# Altium PCB Gatorsynth_Sequencer.PcbDoc (part 1 of 2) (continued)
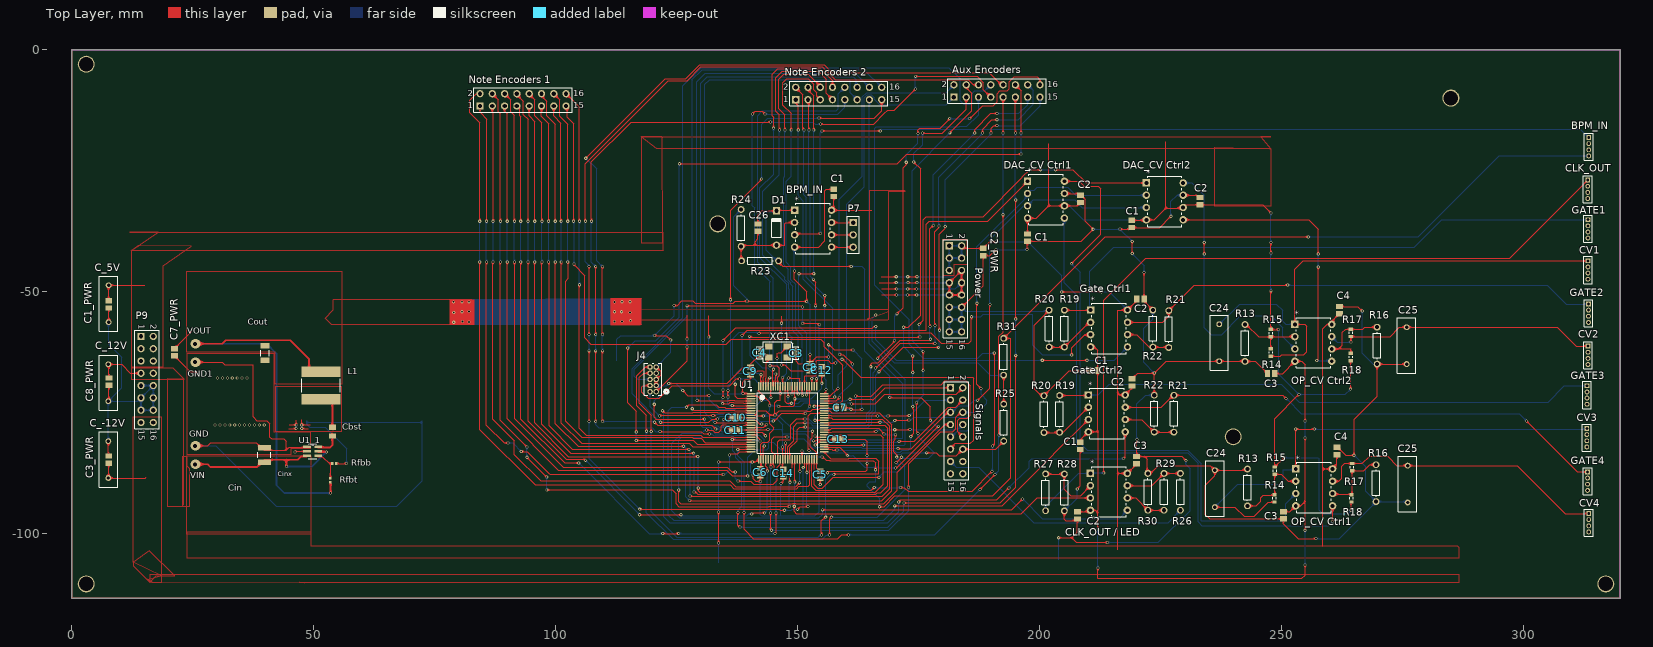
[diagram p0: Top Layer view]
## Nets (pads, with @x,y where several pads share a name; then routed paths per layer and width w, separated by ;. In a path a pad name is that pad's centre, name@x,y a point inside that pad or via, vN(x,y) a via of type N, cw(c..) or ccw(c..) an arc to the next point about the centre after c; other vN are vias at no path point) (continued)
  Bottom Layer w0.254: 205.125,-32.26 206.085,-32.26 208.975,-35.15 222.055,-35.15 ; v1(247.8,-49.825) v1(247.8,-42) ; v1(247.8,-39.875) v1(247.8,-33.725) ; v1(249.375,-57.825) 249.375,-67.025 v1(253.6,-71.25) 263.175,-71.25 v1(264.275,-70.15) ; v1(250.55,-84.3) 257.525,-84.3 257.8,-84.575 257.8,-95.125 258.575,-95.9 263.65,-95.9 v1(264.375,-95.175)
12V: "CLK_OUT / LED.8" "Gate Ctrl1.8" "Gate Ctrl2.8" "OP_CV Ctrl1.8" "OP_CV Ctrl2.8" C2.1@219.075,-69.5 C2.1@220.1,-51.5 C2_PWR.2 C3.1@220.05,-85.55 C4.1@261.45,-83.675 C4.1@261.95,-54.575 C8_PWR.2 C_12V.1 Cin.1 P9.7 P9.8 Power.1 Power.2 Power.3 Power.4 Power.5 U1_1.3 U1_1.5 VIN.1 | length 221.7
  Top Layer w0.254: C8_PWR.2@7.7,-67.85 7.7,-65.14 C_12V.1@7.575,-65.015 10.293,-65.015 12.148,-66.87 P9.7@14.325,-66.87 ; Power.2@183.89,-40.525 184.415,-41.05 C2_PWR.2@188.375,-41.05 189.7,-39.725 v1(191,-39.725) ; v1(204.575,-50.05) v1(212.8,-50.05) ; 216.105,-103.35 216.105,-87.543 ; 216.157,-71.345 216.105,-71.293 ; C2.1@219.075,-69.5 219.075,-69.974 217.704,-71.345 216.537,-71.345 216.105,-70.913 ; C3.1@220.05,-85.55 220.05,-85.618 218.125,-87.543 216.105,-87.543 ; C2.1@220.1,-51.5 220.1,-51.868 218.175,-53.793 216.195,-53.793 216.105,-53.883 216.105,-70.913 ; 258.53,-102.605 258.53,-86.63 ; C4.1@261.45,-83.675 261.45,-85.575 260.55,-86.475 260.55,-86.63 258.53,-86.63 ; C4.1@261.95,-54.575 260.375,-56.15 260.375,-56.755 259.4,-56.755 258.53,-57.625 258.53,-86.63 ; 216.105,-87.543 216.105,-71.293 ; 216.105,-71.293 216.105,-70.913
  Top Layer w0.381: v2(25.562,-85.652) 28.102,-85.652 28.686,-86.262 38.313,-86.262 ; 38.389,-86.16 39.811,-84.738 44.358,-84.738 ; v1(44.358,-86.16) 44.358,-84.738 ; U1_1.3@48.524,-84.077 47.33,-84.077 46.669,-84.738 44.358,-84.738 ; U1_1.5@50.86,-83.112 v1(52.613,-83.112)
  Bottom Layer w0.254: Power.5@181.35,-45.605 Power.3@181.35,-43.065 ; v1(191,-39.725) 197.575,-39.725 204.575,-46.725 v1(204.575,-50.05) ; v1(212.8,-50.05) 214.432,-50.05 218.175,-53.793 ; Power.3@181.35,-43.065 Power.4@183.89,-43.065 Power.2@183.89,-40.525 Power.1@181.35,-40.525 Power.3@181.35,-43.065
  Bottom Layer w0.381: v1(44.358,-86.16) 49.565,-86.16 v1(52.613,-83.112)
-12V: "CLK_OUT / LED.4" "Gate Ctrl1.4" "Gate Ctrl2.4" "OP_CV Ctrl1.4" "OP_CV Ctrl2.4" C1.2@208.425,-81.125 C1.2@211.95,-66.3 C2.2@207.825,-95.475 C3.1@248.6,-66.925 C3.1@250.375,-95.45 C3_PWR.2 C_-12V.2 P9.15 P9.16 | length 169
  Top Layer w0.254: C3_PWR.2@7.675,-85.45 7.675,-88.41 C_-12V.2@7.575,-88.51 15.24,-88.51 15.4,-88.35 ; C2.2@207.825,-95.475 210.193,-95.475 210.505,-95.163 211.488,-95.163 212.05,-95.725 ; C1.2@208.425,-81.125 208.425,-80.624 210.084,-78.965 212.002,-78.965 ; 210.555,-61.413 211.265,-61.413 212.002,-62.15 212.002,-78.965 ; v1(212.05,-107.125) 212.05,-109.225 254.225,-109.225 254.875,-108.575 v1(254.875,-106.5) ; v1(212.05,-99.038) 212.05,-95.725 ; 212.05,-95.213 212.05,-95.725 ; 212.1,-95.163 212.1,-79.063 212.002,-78.965 ; C3.1@248.6,-66.925 250.205,-66.925 252.755,-64.375 254.175,-64.375 254.875,-65.075 v1(254.875,-76.725) ; C3.1@250.375,-95.45 251.73,-95.45 252.93,-94.25 253.975,-94.25 254.875,-93.35 ; v1(254.875,-99.3) 254.875,-93.35 ; v1(254.875,-80.225) 254.875,-93.35
  Bottom Layer w0.254: 210.084,-78.965 210.182,-79.063 ; v1(212.05,-107.125) v1(212.05,-99.038) ; 252.755,-64.375 252.805,-64.425 ; 252.93,-94.25 252.955,-94.275 ; v1(254.875,-106.5) v1(254.875,-99.3) ; v1(254.875,-80.225) v1(254.875,-76.725)
AE_L0: "Aux Encoders.1" U1.74 | length 86.3
  Top Layer w0.254: U1.74@155.475,-71.575 156.7,-71.575 ; 156.725,-71.55 158.25,-70.025 v1(158.375,-70.025)
  Bottom Layer w0.254: v1(158.375,-70.025) 158.375,-67.129 160.202,-65.302 160.202,-31.898 163.813,-28.287 163.813,-9.9 164.415,-9.298 165.265,-9.298 165.867,-9.9 165.867,-10.264 166.955,-11.352 180.748,-11.352 182.3,-9.8
AE_L1: "Aux Encoders.3" U1.52 | length 101.8
  Top Layer w0.254: U1.52@155.475,-82.575 157,-82.575 ; 157.025,-82.55 157.25,-82.775 157.295,-82.73 v1(158.131,-82.73) ; v1(171.9,-57.35) 172.9,-57.35 175.425,-54.825 175.425,-24.65 v1(174,-23.225) ; v1(173.375,-79.95) 174.027,-79.298 174.027,-74.427 173.8,-74.2 v1(173.8,-73.75) ; v1(173.8,-66.675) v1(173.8,-63.325) ; v1(175.825,-17.25) 179.875,-17.25 184.84,-12.285 184.84,-9.8
  Bottom Layer w0.254: v1@158.075,-82.7 158.105,-82.73 v1(158.131,-82.73) 169.935,-82.73 170.4,-83.195 171.23,-83.195 171.65,-82.775 172.9,-82.775 173.375,-82.3 v1(173.375,-79.95) ; v1(171.9,-57.35) 171.9,-61.425 v1(173.8,-63.325) v1@173.8,-63.4 ; v1(173.8,-73.75) v1(173.8,-66.675) ; v1(174,-23.225) 174,-21.425 175.825,-19.6 v1(175.825,-17.25)
AE_L2: "Aux Encoders.5" U1.48 | length 163.2
  Top Layer w0.254: U1.48@152.925,-84.6 152.925,-90.25 153.704,-91.029 165.221,-91.029 165.777,-90.473 v1(165.833,-90.473) ; v1(171.25,-90.475) 172.05,-90.475 172.825,-91.25 186.05,-91.25 v1(190.15,-87.15) ; v1(190.275,-81.875) 190.65,-81.5 v1(190.625,-62.7)
  Bottom Layer w0.254: v1(165.833,-90.473) 171.248,-90.473 v1(171.25,-90.475) ; 187.38,-9.8 187.38,-13.457 184.99,-15.847 183.453,-15.847 183.427,-15.873 166.221,-15.873 165.898,-16.196 165.898,-48.667 173.075,-55.844 173.075,-60.856 173.097,-60.878 175.946,-63.727 187.248,-63.727 188.275,-62.7 v1(190.625,-62.7) ; v1(190.15,-87.15) 190.275,-87.025 v1(190.275,-81.875)
AE_L3: "Aux Encoders.7" U1.28 | length 189.1
  Top Layer w0.254: v1(107.4,-35.45) 107.4,-23.2 115.65,-14.95 v1(144.4,-14.95) ; v1(108.275,-76.827) v1(108.275,-62.225) ; v1@108.275,-58.95 v1(108.275,-58.825) v1(108.275,-44.775) ; v1(121.55,-78.925) 130.125,-78.925 130.6,-79.4 v1(131.775,-79.4) ; U1.28@142.925,-84.6 142.925,-82.05 v1(143.1,-81.875) ; v1(154.75,-15.375) 165.7,-15.375 167.925,-13.15 168.587,-12.488 170.012,-12.488 v1(174.35,-8.15) ; v1(174.35,-5.5) 187.072,-5.5 188.407,-6.835 188.407,-8.287 189.92,-9.8
  Bottom Layer w0.254: v1@107.4,-35.75 107.4,-43.9 v1(108.275,-44.775) ; v1(108.275,-76.827) 108.275,-77.477 108.923,-78.125 119.925,-78.125 120.725,-78.925 v1(121.55,-78.925) ; v1@108.275,-62.175 v1(108.275,-58.825) ; v1(131.775,-79.4) 132.3,-79.4 132.625,-79.725 135.928,-79.725 136.085,-79.568 136.914,-79.568 137.013,-79.666 142.197,-79.666 143.1,-80.569 v1(143.1,-81.875) ; v1(144.4,-14.95) 153.175,-14.95 153.6,-15.375 v1(154.75,-15.375) ; v1(174.35,-8.15) v1(174.35,-5.5)
AE_L4: "Aux Encoders.9" U1.24 | length 156.6
  Top Layer w0.254: v1@137.675,-82.575 U1.24@140.375,-82.575 ; v1@138.948,-95.473 138.948,-99.102 138.925,-99.125 140.825,-101.025 158.325,-101.025 159.1,-100.25 v1(160.55,-100.25) ; v1(187.675,-90.9) v1(190.775,-87.8) ; v1(191.598,-79.602) 191.598,-59.235 192.46,-58.373 v1(192.46,-34.1) ; v1(192.46,-17.215) 192.46,-9.8
  Bottom Layer w0.254: v1(137.625,-82.625) 137.625,-83.925 138.948,-85.248 v1@138.948,-95.473 ; v1(160.55,-100.25) 176.775,-100.25 178.325,-100.25 v1(187.675,-90.9) ; v1(190.775,-87.8) 191.598,-86.977 v1(191.598,-79.602) ; v1(192.46,-34.1) v1(192.46,-17.215)
  other v1: 138.948,-95.6
AE_L5: "Aux Encoders.11" U1.20 | length 165.4
  Top Layer w0.254: v1(136.5,-80.569) 136.5,-80.615 v1@136.507,-80.623 ; v1@136.554,-80.575 U1.20@140.375,-80.575 ; v1(137.675,-95.6) 137.675,-98.25 v1(138.075,-98.65) ; v1(171.95,-93.65) 191.875,-93.65 195.075,-90.45 v1(195.075,-63.15) ; v1@194.95,-17.067 v1@195,-17.067 ; v1(195,-17.215) 195,-9.8 ; v1(195.075,-55.65) v1(195.075,-31.025)
  Bottom Layer w0.254: v1(136.5,-80.569) 136.5,-80.615 136.575,-80.691 136.575,-82.9 137.221,-83.546 137.221,-84.321 138.45,-85.55 138.45,-94.35 137.675,-95.125 v1(137.675,-95.6) ; v1(138.075,-98.65) 168.625,-98.65 171.95,-95.325 v1(171.95,-93.65) ; v1(195,-17.215) 195,-30.95 v1(195.075,-31.025) ; v1(195.075,-63.15) v1(195.075,-55.65)
AE_L6: "Aux Encoders.13" U1.34 | length 114.6
  Top Layer w0.254: U1.34@145.925,-84.625 145.925,-80.975 146.3,-80.6 148.45,-80.6 148.625,-80.425 148.625,-77.525 149.85,-76.3 v1(151.525,-76.3) ; v1(165.125,-65.525) 165.125,-64.975 165.45,-64.65 166.65,-64.65 171.225,-60.075 177.225,-60.075 v1(177.475,-59.825) ; v1(177.35,-57.2) 177.35,-37.025 v1(178.05,-36.325) ; v1(186.6,-17.25) 186.6,-16.5 189.925,-13.175 v1(191.225,-13.175)
  Bottom Layer w0.254: v1(151.525,-76.3) 152.348,-76.3 153.22,-77.172 163.982,-77.172 164.3,-76.854 164.3,-75.2 165.125,-74.375 v1(165.125,-65.525) ; v1(177.35,-57.2) 177.35,-59.7 v1@177.4,-59.75 ; v1(177.475,-59.825) v1@177.475,-59.75 ; v1(178.05,-36.325) 178.05,-25.8 v1(186.6,-17.25) ; v1(191.225,-13.175) 195.7,-13.175 197.54,-11.335 197.54,-9.8
AE_L7: "Aux Encoders.15" U1.39 | length 112.2
  Top Layer w0.254: U1.39@148.425,-84.625 148.425,-82.275 149.875,-80.825 149.875,-78.575 150.45,-78 v1(151.575,-78) ; v1(166.8,-66.55) 171.85,-61.5 v1(179.15,-61.5) ; v1(179.3,-57.975) 179.3,-38.125 180.5,-36.925 v1(180.5,-36.525) ; v1(189.975,-17.25) 189.975,-16.25 190.525,-15.7 v1(191.225,-15.7)
  Bottom Layer w0.254: v1(151.575,-78) 151.654,-78.079 164.521,-78.079 165.275,-77.325 165.275,-75.525 166.1,-74.7 166.1,-67.25 v1(166.8,-66.55) ; v1(179.15,-61.5) 179.425,-61.225 179.3,-61.1 v1(179.3,-57.975) ; v1(180.5,-36.525) 180.5,-26.85 189.975,-17.375 v1(189.975,-17.25) ; v1(191.225,-15.7) 196,-15.7 200.125,-11.575 200.125,-9.845 200.08,-9.8
AE_R0: "Aux Encoders.2" U1.72 | length 90.2
  Top Layer w0.254: U1.72@155.475,-72.575 158,-72.575 ; 158.023,-72.552 158.65,-71.925 v1(158.65,-71.875) ; v1(158.65,-63) 159.425,-63 v1(161.35,-64.925)
  Bottom Layer w0.254: v1(158.65,-71.875) 158.65,-71.45 161.35,-68.75 v1(161.35,-64.925) ; v1(158.65,-63) 158.65,-30.91 163.409,-26.151 163.409,-9.732 164.247,-8.894 180.666,-8.894 182.3,-7.26
AE_R1: "Aux Encoders.4" U1.49 | length 120.9
  Top Layer w0.254: U1.49@153.425,-84.6 153.425,-89.925 154.125,-90.625 155.125,-90.625 157.387,-88.363 v1(166.812,-88.363) ; v1(170.35,-85.325) 170.4,-85.325 v1(171.5,-84.225) ; v1(174.6,-72.925) 174.6,-78.9 174.925,-79.225 v1(174.85,-79.3) ; v1(175.95,-66.275) v1(175.95,-62.4) ; v1(181.45,-17.175) 185.975,-12.65 185.975,-9.025 184.84,-7.89 184.84,-7.26
  Bottom Layer w0.254: v1(166.812,-88.363) 167.95,-87.225 170.731,-87.225 171.506,-86.45 170.381,-85.325 v1(170.35,-85.325) ; v1(171.5,-84.225) 171.675,-84.4 177.15,-84.4 178.263,-83.287 174.85,-79.875 v1(174.85,-79.3) ; 173.783,-58.05 173.65,-57.917 173.65,-24.975 v1(181.45,-17.175) ; 173.783,-57.991 173.783,-60.233 v1(175.95,-62.4) ; v1(174.6,-72.925) 174.6,-72.75 176.175,-71.175 175.95,-70.95 v1(175.95,-66.275)
AE_R2: "Aux Encoders.6" U1.46 | length 211.9
  Top Layer w0.254: v1@106.075,-35.45 106.075,-23.6 123.3,-6.375 127.167,-6.375 129.996,-3.546 155.142,-3.546 157.829,-6.233 185.265,-6.233 186.292,-7.26 187.38,-7.26 ; v1(106.925,-76.827) v1(106.925,-62.225) ; v1@106.925,-58.925 v1(106.925,-58.825) v1(106.925,-44.775) ; v1@117.375,-94.925 117.379,-94.921 146.171,-94.921 146.425,-95.175 v1(147.325,-95.175) ; v1(150,-94.975) 150.575,-94.4 v1(152.125,-94.4) ; v1@151.852,-87.073 151.917,-87.138 v1(151.917,-87.325) ; 151.925,-87 U1.46@151.925,-84.625
  Bottom Layer w0.254: 106.15,-43.825 106.15,-35.8 ; 106.15,-43.825 106.925,-44.6 v1(106.925,-44.775) v1@106.925,-44.85 ; v1(106.925,-76.827) 106.925,-84.5 v1(117.375,-94.95) ; v1@106.925,-62.2 v1(106.925,-58.825) ; v1(147.325,-95.175) 148.725,-95.175 148.925,-94.975 v1(150,-94.975) ; v1(151.917,-87.325) 151.917,-94.192 v1(152.125,-94.4)
  other v1: 106.15,-35.45
AE_R3: "Aux Encoders.8" U1.12 | length 174.8
  Top Layer w0.254: v1(121.641,-76.991) 121.675,-77.025 131.625,-77.025 132.325,-76.325 v1(133.425,-76.325) ; U1.12@140.375,-76.55 141.375,-76.55 142.2,-77.375 v1(142.6,-77.375)
  Bottom Layer w0.254: v1(121.641,-76.991) 115.793,-71.143 115.793,-65.885 126.3,-55.379 126.3,-7.479 130.083,-3.696 181.271,-3.696 183.6,-6.025 183.6,-10.525 184.3,-11.225 185.775,-11.225 186.1,-10.9 186.1,-9.025 186.625,-8.5 188.68,-8.5 189.92,-7.26 ; v1(133.425,-76.325) 134.025,-75.725 135.581,-75.725 135.652,-75.796 135.652,-75.877 136.1,-76.325 141.154,-76.325 141.983,-77.154 142.379,-77.154 v1(142.6,-77.375)
AE_R4: "Aux Encoders.10" U1.15 | length 190.6
  Top Layer w0.254: v1(106.225,-22.425) 122.679,-5.971 126.929,-5.971 129.758,-3.142 155.458,-3.142 157.066,-4.75 189.575,-4.75 192.085,-7.26 192.46,-7.26 ; v1(109.675,-76.827) v1(109.675,-62.225) ; v1(109.675,-58.825) v1(109.675,-44.775) ; v1(120.45,-76.975) 121.063,-77.588 121.888,-77.588 121.9,-77.575 132.275,-77.575 133.075,-78.375 v1(133.1,-78.375) ; U1.15@140.375,-78.05 143,-78.05 v1(143.575,-77.475)
  Bottom Layer w0.254: v1(106.225,-22.425) 108.45,-24.65 108.45,-43.6 v1@109.675,-44.825 ; v1(109.675,-76.827) 120.302,-76.827 v1(120.45,-76.975) ; v1(109.675,-62.225) v1(109.675,-58.825) ; v1(133.1,-78.375) 133.775,-78.375 134.302,-78.902 135.606,-78.902 135.933,-78.575 142.181,-78.575 142.706,-78.05 143.025,-78.05 143.025,-78.025 v1(143.575,-77.475)
AE_R5: "Aux Encoders.12" U1.22 | length 175.1
  Top Layer w0.254: v1(114.9,-61.625) 114.9,-72.975 116.625,-74.7 116.65,-74.7 v1(116.65,-78.975) ; v1(116.65,-80.725) 128.4,-80.725 129.253,-81.578 140.375,-81.578 U1.22@140.375,-81.575 ; v1(125.575,-23.575) 170.575,-23.575 172.575,-21.575 v1(196.175,-21.575) ; 195,-7.26 196.175,-8.435 v1(196.175,-17.215)
  Bottom Layer w0.254: v1(114.9,-61.625) 116.425,-60.1 120.725,-60.1 125.575,-55.25 v1(125.575,-23.575) ; v1(116.65,-80.725) v1(116.65,-78.975) ; v1(196.175,-21.575) v1(196.175,-17.215)
AE_R6: "Aux Encoders.14" U1.38 | length 115.6
  Top Layer w0.254: U1.38@147.925,-84.625 147.925,-83.946 147.927,-83.944 147.927,-82.048 149.175,-80.8 149.175,-77.875 149.95,-77.1 v1(151.55,-77.1) ; v1(166.075,-65.8) 166.15,-65.8 171.248,-60.702 v1(178.402,-60.702) ; v1(178.375,-56.975) 178.375,-37.65 179.2,-36.825 v1(179.2,-36.425) ; v1@188.225,-17.3 188.225,-16.4 190.15,-14.475 v1(191.2,-14.475)
  Bottom Layer w0.254: v1(151.55,-77.1) 152.576,-77.1 153.151,-77.675 164.325,-77.675 164.8,-77.2 164.8,-75.35 165.675,-74.475 165.675,-66.725 166.075,-66.325 v1(166.075,-65.8) ; v1(178.375,-56.975) 178.375,-58.708 178.425,-58.758 178.402,-58.781 v1(178.402,-60.702) ; v1(179.2,-36.425) 179.2,-26.325 v1@188.25,-17.275 ; v1(191.2,-14.475) 195.55,-14.475 198.7,-11.325 198.7,-8.375 197.585,-7.26 197.54,-7.26
  other v1: 188.225,-17.25
AE_R7: "Aux Encoders.16" U1.57 | length 122.8
  Top Layer w0.254: v1(153.625,-79.85) 153.85,-80.075 U1.57@155.475,-80.075 ; v1(166.475,-63.775) 170.025,-60.225 v1(170.025,-60.1) ; v1(170.525,-54.575) 171.825,-53.275 171.825,-24.4 172.446,-23.779 v1(172.446,-23.266) ; v1(174.875,-17.325) 174.875,-16.65 175.275,-16.25 179.425,-16.25 v1(181.425,-14.25) ; v1(185.55,-14.25) 188.225,-11.575 190.45,-11.575 191.249,-10.776 191.249,-9.076 191.8,-8.525 193.275,-8.525 193.75,-8.05 193.75,-6.575 194.75,-5.575 199.475,-5.575 200.08,-6.18 200.08,-7.26
  Bottom Layer w0.254: v1(153.625,-79.85) 154.35,-80.575 169.75,-80.575 170,-80.325 171.777,-80.325 171.777,-69.077 v1(166.475,-63.775) ; v1(170.025,-60.1) 170.025,-55.075 v1(170.525,-54.575) ; v1(172.446,-23.266) 172.446,-21.754 174.875,-19.325 v1(174.875,-17.325) ; v1(181.425,-14.25) v1(185.55,-14.25)
AE_SW0: 
AE_SW1: 
AE_SW2: 
AE_SW3: 
AE_SW4: 
AE_SW5: 
AE_SW6: 
AE_SW7: 
BLU1: 
BLU2: 
BLU3: 
BLU4: 
BLU5: 
BLU6: 
BLU7: 
BLU8: 
BLU9: 
BLU10: 
BLU11: 
BLU12: 
BLU13: 
BLU14: 
BLU15: 
BLU16: 
BPM_IN: BPM_IN.1@313.475,-18.15 BPM_IN.3@149.384,-38.252 | length 186.1
  Top Layer w0.254: BPM_IN.3@149.384,-38.252 149.636,-38 v1(154.725,-38) ; v1(155.075,-16.775) 156.6,-16.775 v1(167.075,-16.775)
  Bottom Layer w0.254: v1(154.725,-38) 154.725,-17.2 v1(155.075,-16.775) ; v1(167.075,-16.775) 167.425,-16.425 311.75,-16.425 BPM_IN.1@313.475,-18.15
BPM_OUT: "CLK_OUT / LED.3" U1.41 | length 73.5
  Top Layer w0.254: v1(149.3,-94.35) 149.3,-95.4 149.75,-95.85 196.252,-95.85 ; v1(149.425,-89.3) U1.41@149.425,-84.625 ; 196.263,-95.862 199.502,-92.623 210.505,-92.623
  Bottom Layer w0.254: v1(149.3,-94.35) 149.425,-94.225 v1(149.425,-89.3)
BPM_TRIG: BPM_IN.1@149.384,-33.172 C26.1 D1.2 R23.2 U1.53 | length 113.9
  Top Layer w0.254: C26.1@141.804,-36.027 141.804,-34.125 142.625,-33.304 D1.2@145.621,-33.304 ; D1.2@145.753,-33.172 BPM_IN.1@149.384,-33.172 ; R23.2@146.06,-43.625 146.06,-43.948 146.887,-44.775 v1(161.075,-44.775) ; U1.53@155.475,-82.075 155.479,-82.075 155.519,-82.116 158.666,-82.116 160.275,-83.725 160.274,-83.726 v1(160.274,-83.896) ; v1(169.025,-71.9) 174.669,-71.9 174.696,-71.873 175.154,-71.873 175.181,-71.9 175.521,-71.9 177.425,-73.804 v1(177.425,-76.65) ; v1(170.2,-86.425) 170.5,-86.425 v1(179.1,-77.825)
  Bottom Layer w0.254: D1.2@145.463,-33.462 143.512,-33.462 143.512,-41.4 145.737,-43.625 R23.2@146.06,-43.625 ; v1(160.274,-83.896) 161.279,-83.896 161.375,-83.8 163.848,-86.273 165.791,-86.273 165.869,-86.195 166.363,-86.195 166.396,-86.228 166.422,-86.228 166.619,-86.425 v1(170.2,-86.425) ; v1(161.075,-44.775) 163.275,-44.775 163.875,-45.375 163.875,-62.325 169.025,-67.475 v1(169.025,-71.9) ; v1(177.425,-76.65) 178.6,-77.825 v1(179.1,-77.825)
BTN_INT: Signals.2 U1.88 | length 41.9
  Top Layer w0.254: U1.88@147.925,-69.525 147.925,-70.9 148.05,-71.025 v1(148.05,-71.7) ; v1(161.125,-73.2) 166.075,-73.2 168.05,-71.225 182.825,-71.225 184.14,-69.91 Signals.2@184.14,-69.85
  Bottom Layer w0.254: v1@148.075,-71.725 v1(148.05,-71.7) 148.05,-73.3 148.475,-73.725 150.65,-73.725 151.375,-73 159.969,-73 159.971,-73.002 160.429,-73.002 160.431,-73 160.925,-73 v1(161.125,-73.2)
"CLK OUT": "CLK_OUT / LED.1" CLK_OUT.1 R27.2 | length 161.8
  Top Layer w0.254: v1(213.275,-87.45) 213.275,-51.775 221.95,-43.1 297.125,-43.1 CLK_OUT.1@313.275,-26.95
  Bottom Layer w0.254: R27.2@201.25,-95.273 201.25,-94.35 208.057,-87.543 210.505,-87.543 210.598,-87.45 v1(213.275,-87.45)
CS1: "DAC_CV Ctrl2.1" U1.93 | length 124.9
  Top Layer w0.254: v1(140.075,-59.225) 140.225,-59.375 v1(175.275,-59.375) ; U1.93@145.425,-69.5 145.425,-68.177 145.5,-68.102 v1(145.5,-67) ; v1(175.125,-56.775) 175.975,-55.925 175.975,-35.1 176.6,-34.475 188.35,-34.475 196.466,-26.359 196.466,-26.303 197.969,-24.8 v1(200.15,-24.8) ; v1(203.325,-24.8) 206.9,-24.8 209.63,-27.53 222.055,-27.53
  Bottom Layer w0.254: v1(140.075,-59.225) 140.1,-63.175 142.675,-65.75 143.842,-65.75 145.092,-67 v1(145.5,-67) ; v1(175.125,-56.775) 175.125,-59.225 v1(175.275,-59.375) ; v1(200.15,-24.8) v1(203.325,-24.8)
CS2: "DAC_CV Ctrl1.1" U1.99 | length 101
  Top Layer w0.254: v1(138.525,-59.075) 139.625,-57.975 154.223,-57.975 154.234,-57.986 165.795,-57.986 165.806,-57.975 176.575,-57.975 176.575,-36.025 177.2,-35.4 189.285,-35.4 197.505,-27.18 ; U1.99@142.425,-69.5 v1(142.425,-67.175)
  Bottom Layer w0.254: v1(138.525,-59.075) 138.525,-65.65 137.275,-66.9 142.15,-66.9 v1(142.425,-67.175)
CV1: "OP_CV Ctrl2.1" C24.1@237.125,-56.74 CV1.1 R14.2@247.8,-63.325 | length 108.7
  Top Layer w0.254: R14.2@247.8,-63.325 249.725,-63.325 250.025,-63.025 254.6,-63.025 255.2,-62.425 255.2,-57.125 254.83,-56.755 252.755,-56.755 252.755,-45.395 254.495,-43.655 313.27,-43.655 CV1.1@313.3,-43.625
  Bottom Layer w0.254: C24.1@237.125,-56.74 241.315,-52.55 248.925,-52.55 250.2,-53.825 250.2,-56.1 250.825,-56.725 252.725,-56.725
CV2: "OP_CV Ctrl2.7" C25.1@275.85,-57.34 CV2.1 R17.1@264.325,-59.275 | length 57
  Top Layer w0.254: v1(264.325,-60.425) R17.1@264.325,-59.275 272.425,-59.275 274.36,-57.34 C25.1@275.85,-57.34 306.965,-57.34 310.875,-61.25 CV2.1@313.325,-61.25
  Bottom Layer w0.254: 260.375,-59.295 261.505,-60.425 v1(264.325,-60.425)
CV3: "OP_CV Ctrl1.1" C24.1@236.225,-94.51 CV3.1 R14.2@248.55,-93.475 | length 104.1
  Top Layer w0.254: C24.1@236.225,-94.51 240.36,-94.51 242.25,-96.4 244.35,-96.4 247.275,-93.475 R14.2@248.55,-93.475 ; 252.93,-86.63 v1(252.93,-78.395) v1(256.77,-78.395)
  Bottom Layer w0.254: C24.1@236.225,-94.51 240.985,-89.75 250.4,-89.75 250.4,-86.775 252.785,-86.775 ; v1(256.77,-78.395) CV3.1@312.955,-78.395
CV4: "OP_CV Ctrl1.7" C25.1@276.05,-85.94 CV4.1 R17.1@264.575,-85.5 | length 61.4
  Top Layer w0.254: 260.55,-89.17 261.805,-89.17 262.45,-88.525 262.45,-86.1 263.05,-85.5 R17.1@264.575,-85.5 266.725,-85.5 268.225,-84 271.9,-84 273.825,-85.925 276.035,-85.925 C25.1@276.05,-85.94 298.69,-85.94 308.6,-95.85 CV4.1@313.475,-95.85
DISP_RESET: Signals.11 U1.81 | length 60.7
  Top Layer w0.254: U1.81@151.425,-69.5 151.425,-67.45 151.55,-67.325 153.825,-67.325 153.825,-64.375 154.025,-64.175 156.325,-64.175 156.9,-64.75 v1(157.85,-64.75) ; v1(159.2,-63.975) 159.375,-63.975 163.075,-67.675 186.175,-67.675 186.35,-67.85 186.35,-80.675 185.675,-81.35 182.625,-81.35 181.6,-82.375 Signals.11@181.6,-82.55
  Bottom Layer w0.254: v1(157.85,-64.75) 158.625,-63.975 v1(159.2,-63.975)
DISP_SEL0: Signals.8 U1.59 | length 29.7
  Top Layer w0.254: U1.59@155.475,-79.075 156.906,-79.075 ; 156.925,-79.094 157.119,-78.9 v1(166.225,-78.9) ; v1(170.075,-78.525) 173.15,-78.525 v1(173.2,-78.475)
  Bottom Layer w0.254: v1(166.225,-78.9) 166.6,-78.525 v1(170.075,-78.525) ; v1(173.2,-78.475) 173.222,-78.497 182.375,-78.497 182.526,-78.346 183.264,-78.346 Signals.8@184.14,-77.47 Signals.8@183.805,-77.47
DISP_SEL1: Signals.9 U1.63 | length 37.2
  Top Layer w0.254: U1.63@155.475,-77.05 155.5,-77.075 156.875,-77.075 156.975,-76.975 v1(167.025,-76.975) ; v1(170.075,-76.6) 170.125,-76.55 v1(173.05,-76.55)
  Bottom Layer w0.254: v1(167.025,-76.975) 169.7,-76.975 v1(170.075,-76.6) ; v1(173.05,-76.55) 173.425,-76.55 174.018,-75.957 184.565,-75.957 184.572,-75.95 185.15,-75.95 185.375,-76.175 185.375,-78.45 185.075,-78.75 183.096,-78.75 181.836,-80.01 Signals.9@181.6,-80.01
DISP_SEL2: Signals.10 U1.64 | length 53.1
  Top Layer w0.254: v1(153.575,-76.575) U1.64@155.45,-76.575 ; v1(161.975,-71.575) 165.25,-71.575 167.6,-69.225 179.65,-69.225 180.425,-68.45 184.7,-68.45 185.675,-69.425 185.675,-75.55 185.05,-76.175 183.5,-76.175 183.113,-76.562 183.113,-78.983 Signals.10@184.14,-80.01
  Bottom Layer w0.254: v1(153.575,-76.575) 153.575,-75.75 154.225,-75.1 161.725,-75.1 161.975,-74.85 v1(161.975,-71.575)
ENC_INT: Signals.1 U1.89 | length 39
  Top Layer w0.254: U1.89@147.425,-69.5 147.425,-72.725 147.75,-73.05 v1(148.775,-73.05) ; v1(160.825,-72.225) 165.275,-72.225 165.5,-72.45 168.1,-69.85 Signals.1@181.6,-69.85
  Bottom Layer w0.254: v1(148.775,-73.05) 150.15,-73.05 150.648,-72.552 160.098,-72.552 160.425,-72.225 v1(160.825,-72.225)
EXTRA_IN_ButtonExpanders: 
EXTRA_IN_NoteExpanders: 
GATE1: "Gate Ctrl1.1" GATE1.1 R19.2@205.125,-53.828 | length 120.8
  Top Layer w0.254: R19.2@205.125,-53.828 210.52,-53.828
  Bottom Layer w0.254: 210.555,-53.793 210.375,-53.613 210.375,-45.775 215.325,-40.825 277.425,-40.825 283.125,-35.125 GATE1.1@313.3,-35.125
GATE2: "Gate Ctrl1.7" GATE2.1 R21.1@226.7,-53.928 | length 100.8
  Top Layer w0.254: 218.175,-56.333 225.475,-56.333 226.7,-55.108 R21.1@226.7,-53.928 232.003,-48.625 v1(251.275,-48.625)
  Bottom Layer w0.254: v1(251.275,-48.625) 304.925,-48.625 308.85,-52.55 GATE2.1@313.425,-52.55
GATE3: "Gate Ctrl2.1" GATE3.1 R19.2@204.154,-71.455 | length 112.9
  Top Layer w0.254: R19.2@204.154,-71.455 209.974,-71.455 210.084,-71.345
  Bottom Layer w0.254: 210.084,-71.345 212.13,-71.345 214.375,-69.1 249.95,-69.1 253.675,-72.825 305.075,-72.825 308.45,-69.45 GATE3.1@313.125,-69.45
GATE4: "Gate Ctrl2.7" GATE4.1 R21.1@227.754,-71.405 | length 103.2
  Top Layer w0.254: 217.704,-73.885 225.14,-73.885 227.62,-71.405 R21.1@227.754,-71.405 250.23,-71.405 v1(250.925,-72.1) ; v1(300.6,-76.725) 311.125,-87.25 GATE4.1@313.25,-87.25
  Bottom Layer w0.254: v1(250.925,-72.1) 251.031,-72.1 254.115,-75.185 299.135,-75.185 300.6,-76.65 v1(300.6,-76.725)
GATE_OUT1: "Gate Ctrl1.3" U1.3 | length 106.3
  Top Layer w0.254: v1(137.125,-69.125) 137.125,-71.625 137.575,-72.075 U1.3@140.375,-72.075 ; v1(142,-58.625) 142.15,-58.475 177.5,-58.475 179.725,-60.7 185.375,-60.7 185.925,-60.15 v1(185.925,-55.175) ; v1(206.65,-63.075) 206.65,-61.6 209.3,-58.95 210.478,-58.95 210.555,-58.873
  Bottom Layer w0.254: v1(137.125,-69.125) 137.125,-67.7 136.65,-67.225 136.65,-59.75 137.975,-58.425 141.5,-58.425 141.7,-58.625 v1(142,-58.625) ; v1(185.925,-55.175) 187.825,-55.175 188.35,-54.65 198.55,-54.65 198.55,-61.1 200.525,-63.075 v1(206.65,-63.075)
GATE_OUT2: "Gate Ctrl1.5" U1.5 | length 110.1
  Top Layer w0.254: v1(134.45,-73.15) 135.754,-73.15 135.935,-72.969 136.082,-72.822 136.677,-72.822 136.835,-72.979 138.804,-72.979 138.9,-73.075 U1.5@140.375,-73.075 ; v1(134.6,-71.85) v1(134.6,-70.325) ; v1(134.6,-60.075) 137.25,-57.425 154.244,-57.425 154.401,-57.582 165.418,-57.582 165.825,-57.175 v1(166.15,-57.175) ; v1(200.55,-64.175) v1(209.8,-64.175)
  Bottom Layer w0.254: v1(134.45,-73.15) 134.45,-72.15 134.675,-71.925 v1(134.6,-71.85) ; v1(134.6,-70.325) v1(134.6,-60.075) ; v1(166.15,-57.175) 166.15,-59.95 170.375,-64.175 v1(200.55,-64.175) ; v1@209.675,-64.175 v1(209.8,-64.175) 215.413,-64.175 218.175,-61.413
GATE_OUT3: "Gate Ctrl2.3" U1.7 | length 135.8
  Top Layer w0.254: v1(127.025,-73.875) 127.5,-73.4 133.2,-73.4 133.677,-73.877 134.904,-73.877 134.906,-73.875 135.102,-74.071 136.193,-74.071 136.252,-74.13 136.747,-74.13 136.806,-74.071 140.375,-74.071 U1.7@140.375,-74.075 ; v1(170.075,-94.25) 192.25,-94.25 202.509,-83.991 202.519,-83.991 203.392,-83.117 ; 203.392,-83.124 203.392,-83.117 ; 210.084,-76.425 203.392,-83.117
  Bottom Layer w0.254: v1(127.025,-73.875) 124,-73.875 123.3,-74.575 123.3,-96.15 124.4,-97.25 167.775,-97.25 170.075,-94.95 v1(170.075,-94.25)
GATE_OUT4: "Gate Ctrl2.5" U1.9 | length 149.3
  Top Layer w0.254: v1(122.1,-74.6) 122.527,-75.027 128.329,-75.027 128.433,-74.923 133.379,-74.923 133.458,-75.002 140.375,-75.002 U1.9@140.375,-75.075 ; v1(170.9,-93.475) 171.35,-93.025 191.175,-93.025 v1(193.65,-90.55) ; v1(217.35,-84.475) 217.704,-84.121 217.704,-78.965
  Bottom Layer w0.254: v1(122.1,-74.6) 122.326,-74.826 122.326,-96.551 123.573,-97.798 168.577,-97.798 170.9,-95.475 v1(170.9,-93.475) ; v1(193.65,-90.55) 197.825,-86.375 197.825,-85.05 198.4,-84.475 v1(217.35,-84.475)